# KiCad board TKLTheSecond.kicad_pcb
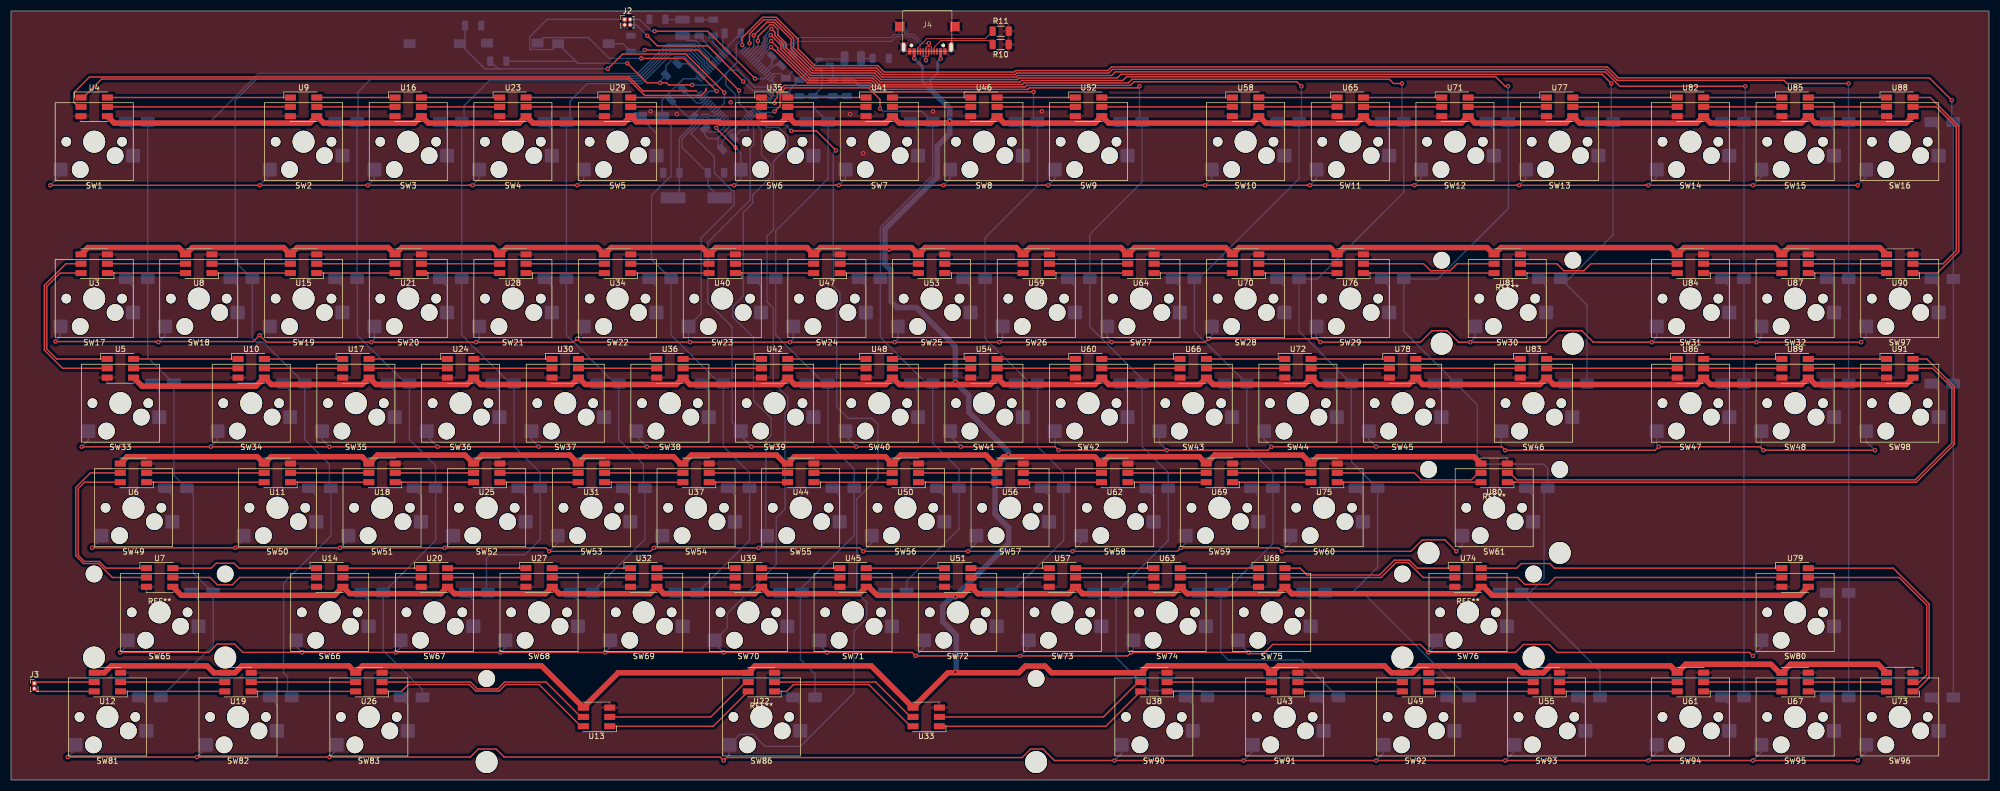
[diagram p0: board, top side]
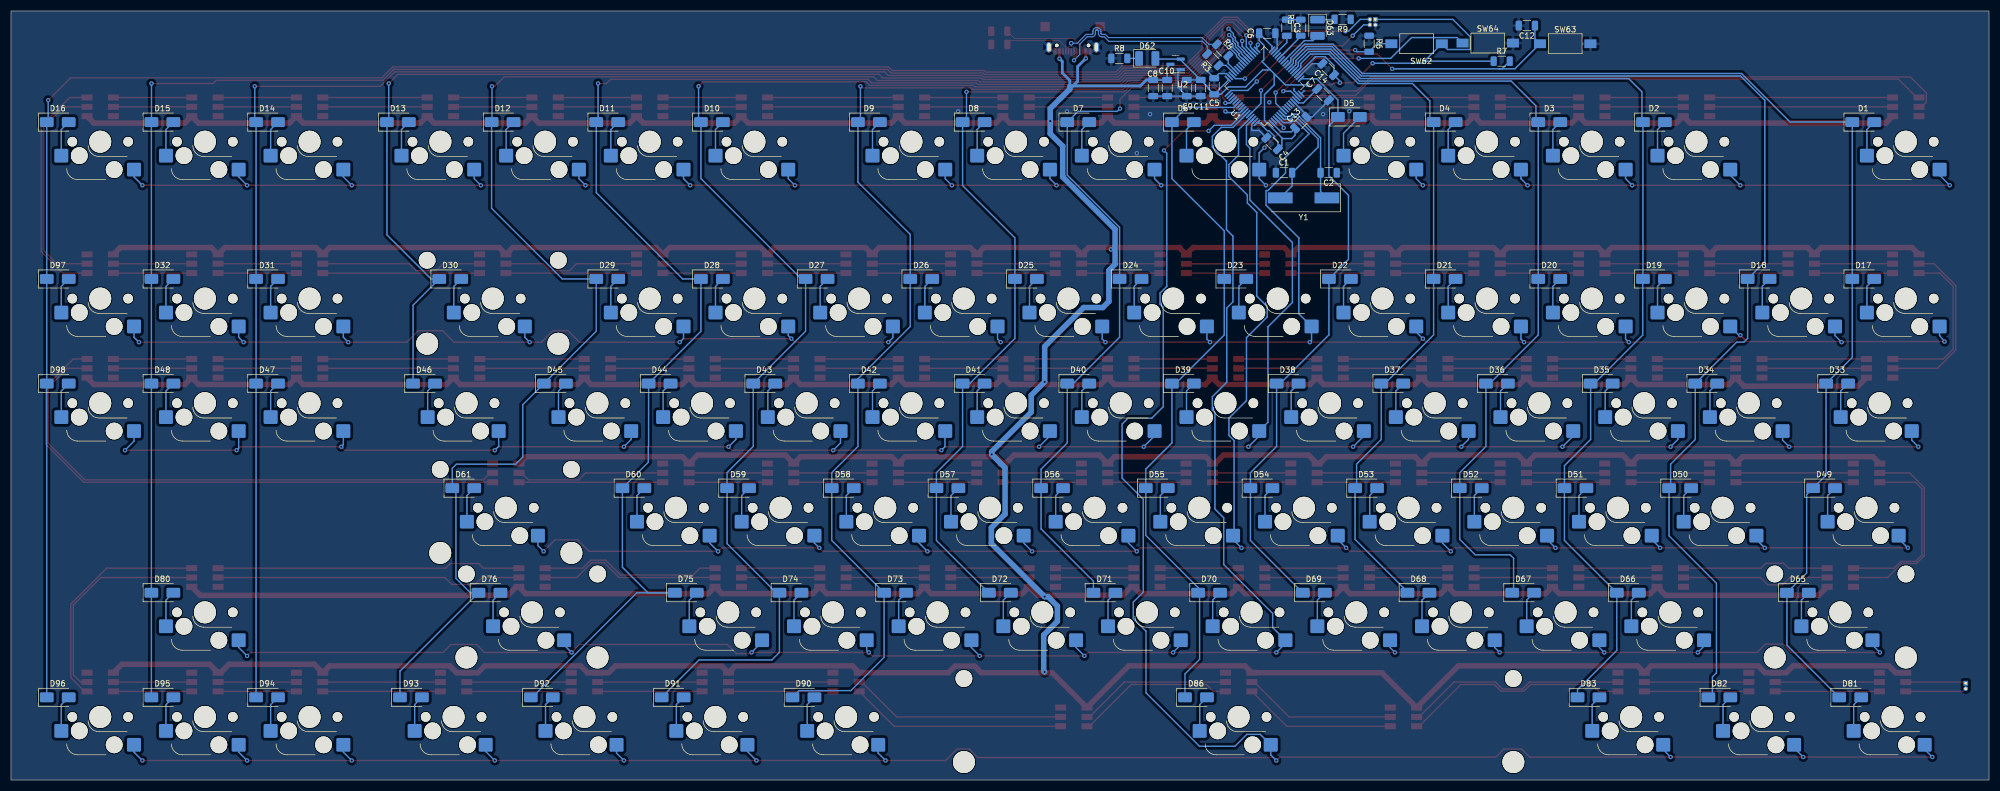
[diagram p1: board, bottom side, seen from below]

Outline 360 x 140.08 mm; copper layers: Top, Bottom. Coordinates in mm from the lower left corner of the outline.
Outline path: rectangle 0,140.08 360,0
Stack: Top 0.035mm / dielectric 1.51mm FR4 er 4.5 / Bottom 0.035mm

## Placement (name value [footprint] x y rotation side)
C1  12pF  [C_1206_3216Metric]  128.31 110.62 180 bottom
C2  12pF  [C_1206_3216Metric]  120.18 110.62 0 bottom
C3  4.7uF  [C_1206_3216Metric]  127.8 137.03 270 bottom
C4  C  [C_1206_3216Metric]  130.47 115.95 45 bottom
C5  C  [C_1206_3216Metric]  141.01 126.36 90 bottom
C6  C  [C_1206_3216Metric]  131.36 136.02 180 bottom
C7  C  [C_1206_3216Metric]  121.2 124.84 225 bottom
C8  1uF  [C_1206_3216Metric]  152.11 126.04 270 bottom
C9  1uF  [C_1206_3216Metric]  146.01 126.04 270 bottom
C10  10nF  [C_1206_3216Metric]  149.57 126.04 270 bottom
C11  10nF  [C_1206_3216Metric]  143.47 126.04 270 bottom
C12  100nF  [C_1206_3216Metric]  84.12 137.41 0 bottom
C13  C  [C_1206_3216Metric]  125.26 119.76 135 bottom
C14  C  [C_1206_3216Metric]  120.27 129.44 45 bottom
D1  BAV16WS  [D_SMA]  22.88 119.84 180 bottom
D2  BAV16WS  [D_SMA]  60.98 119.84 180 bottom
D3  BAV16WS  [D_SMA]  80.03 119.84 180 bottom
D4  BAV16WS  [D_SMA]  99.08 119.84 180 bottom
D5  BAV16WS  [D_SMA]  116.5 120.78 180 bottom
D6  BAV16WS  [D_SMA]  146.71 119.84 180 bottom
D7  BAV16WS  [D_SMA]  165.76 119.84 180 bottom
D8  BAV16WS  [D_SMA]  184.81 119.84 180 bottom
D9  BAV16WS  [D_SMA]  203.86 119.84 180 bottom
D10  BAV16WS  [D_SMA]  232.44 119.84 180 bottom
D11  BAV16WS  [D_SMA]  251.49 119.84 180 bottom
D12  BAV16WS  [D_SMA]  270.54 119.84 180 bottom
D13  BAV16WS  [D_SMA]  289.59 119.84 180 bottom
D14  BAV16WS  [D_SMA]  313.4 119.84 180 bottom
D15  BAV16WS  [D_SMA]  332.45 119.84 180 bottom
D16  BAV16WS  [D_SMA]  351.5 119.84 180 bottom
D17  BAV16WS  [D_SMA]  22.88 91.26 180 bottom
D18  BAV16WS  [D_SMA]  41.93 91.26 180 bottom
D19  BAV16WS  [D_SMA]  60.98 91.26 180 bottom
D20  BAV16WS  [D_SMA]  80.03 91.26 180 bottom
D21  BAV16WS  [D_SMA]  99.08 91.26 180 bottom
D22  BAV16WS  [D_SMA]  118.13 91.26 180 bottom
D23  BAV16WS  [D_SMA]  137.19 91.26 180 bottom
D24  BAV16WS  [D_SMA]  156.24 91.26 180 bottom
D25  BAV16WS  [D_SMA]  175.29 91.26 180 bottom
D26  BAV16WS  [D_SMA]  194.34 91.26 180 bottom
D27  BAV16WS  [D_SMA]  213.39 91.26 180 bottom
D28  BAV16WS  [D_SMA]  232.44 91.26 180 bottom
D29  BAV16WS  [D_SMA]  251.49 91.26 180 bottom
D30  BAV16WS  [D_SMA]  280.06 91.26 180 bottom
D31  BAV16WS  [D_SMA]  313.4 91.26 180 bottom
D32  BAV16WS  [D_SMA]  332.45 91.26 180 bottom
D33  BAV16WS  [D_SMA]  27.65 72.21 180 bottom
D34  BAV16WS  [D_SMA]  51.46 72.21 180 bottom
D35  BAV16WS  [D_SMA]  70.51 72.21 180 bottom
D36  BAV16WS  [D_SMA]  89.56 72.21 180 bottom
D37  BAV16WS  [D_SMA]  108.61 72.21 180 bottom
D38  BAV16WS  [D_SMA]  127.66 72.21 180 bottom
D39  BAV16WS  [D_SMA]  146.71 72.21 180 bottom
D40  BAV16WS  [D_SMA]  165.76 72.21 180 bottom
D41  BAV16WS  [D_SMA]  184.81 72.21 180 bottom
D42  BAV16WS  [D_SMA]  203.86 72.21 180 bottom
D43  BAV16WS  [D_SMA]  222.91 72.21 180 bottom
D44  BAV16WS  [D_SMA]  241.96 72.21 180 bottom
D45  BAV16WS  [D_SMA]  261.01 72.21 180 bottom
D46  BAV16WS  [D_SMA]  284.82 72.21 180 bottom
D47  BAV16WS  [D_SMA]  313.4 72.21 180 bottom
D48  BAV16WS  [D_SMA]  332.45 72.21 180 bottom
D49  BAV16WS  [D_SMA]  30.03 53.16 180 bottom
D50  BAV16WS  [D_SMA]  56.22 53.16 180 bottom
D51  BAV16WS  [D_SMA]  75.27 53.16 180 bottom
D52  BAV16WS  [D_SMA]  94.32 53.16 180 bottom
D53  BAV16WS  [D_SMA]  113.37 53.16 180 bottom
D54  BAV16WS  [D_SMA]  132.42 53.16 180 bottom
D55  BAV16WS  [D_SMA]  151.47 53.16 180 bottom
D56  BAV16WS  [D_SMA]  170.52 53.16 180 bottom
D57  BAV16WS  [D_SMA]  189.57 53.16 180 bottom
D58  BAV16WS  [D_SMA]  208.62 53.16 180 bottom
D59  BAV16WS  [D_SMA]  227.67 53.16 180 bottom
D60  BAV16WS  [D_SMA]  246.72 53.16 180 bottom
D61  BAV16WS  [D_SMA]  277.68 53.16 180 bottom
D62  LED  [LED_1210_3225Metric_Pad1.42x2.65mm_HandSolder]  153.2 131.44 180 bottom
D63  LED  [LED_1210_3225Metric_Pad1.42x2.65mm_HandSolder]  122.21 137.03 270 bottom
D65  BAV16WS  [D_SMA]  34.79 34.11 180 bottom
D66  BAV16WS  [D_SMA]  65.75 34.11 180 bottom
D67  BAV16WS  [D_SMA]  84.8 34.11 180 bottom
D68  BAV16WS  [D_SMA]  103.85 34.11 180 bottom
D69  BAV16WS  [D_SMA]  122.9 34.11 180 bottom
D70  BAV16WS  [D_SMA]  141.95 34.11 180 bottom
D71  BAV16WS  [D_SMA]  161 34.11 180 bottom
D72  BAV16WS  [D_SMA]  180.05 34.11 180 bottom
D73  BAV16WS  [D_SMA]  199.1 34.11 180 bottom
D74  BAV16WS  [D_SMA]  218.15 34.11 180 bottom
D75  BAV16WS  [D_SMA]  237.2 34.11 180 bottom
D76  BAV16WS  [D_SMA]  272.92 34.11 180 bottom
D80  BAV16WS  [D_SMA]  332.45 34.11 180 bottom
D81  BAV16WS  [D_SMA]  25.27 15.06 180 bottom
D82  BAV16WS  [D_SMA]  49.08 15.06 180 bottom
D83  BAV16WS  [D_SMA]  72.89 15.06 180 bottom
D86  BAV16WS  [D_SMA]  144.33 15.06 180 bottom
D90  BAV16WS  [D_SMA]  215.77 15.06 180 bottom
D91  BAV16WS  [D_SMA]  239.58 15.06 180 bottom
D92  BAV16WS  [D_SMA]  263.39 15.06 180 bottom
D93  BAV16WS  [D_SMA]  287.2 15.06 180 bottom
D94  BAV16WS  [D_SMA]  313.4 15.06 180 bottom
D95  BAV16WS  [D_SMA]  332.45 15.06 180 bottom
D96  BAV16WS  [D_SMA]  351.5 15.06 180 bottom
D97  BAV16WS  [D_SMA]  351.5 91.26 180 bottom
D98  BAV16WS  [D_SMA]  351.5 72.21 180 bottom
J2  Conn_01x04_Socket  [PinHeader_2x02_P1.00mm_Vertical]  111.68 138.55 0 top
J3  Conn_01x02_Socket  [PinHeader_1x02_P1.00mm_Vertical]  4.23 17.64 0 top
J4  GT-USB-7004  [GT-USB-7047C]  166.78 135.05 0 top
R3  10  [R_1206_3216Metric]  141.25 131.2 45 bottom
R4  10  [R_1206_3216Metric]  139.49 132.97 45 bottom
R5  10K  [R_1206_3216Metric]  125.26 137.03 90 bottom
R6  10K  [R_1206_3216Metric]  112.82 134.11 270 bottom
R7  4k7  [R_1206_3216Metric]  88.69 130.94 180 bottom
R8  1K  [R_1206_3216Metric]  158.28 131.44 180 bottom
R9  1K  [R_1206_3216Metric]  117.64 138.56 0 bottom
R10  5.1K  [R_1206_3216Metric]  180.13 133.98 180 top
R11  5.1K  [R_1206_3216Metric]  180.13 136.4 0 top
REF**  -  [Stabilizer_Cherry_MX_2.00u]  27.05 30.54 0 top
REF**#2  -  [Stabilizer_Cherry_MX_6.25u]  136.57 11.49 0 top
REF**#3  -  [Stabilizer_Cherry_MX_2.00u]  269.94 49.59 0 top
REF**#4  -  [Stabilizer_Cherry_MX_2.00u]  265.18 30.54 0 top
REF**#5  -  [Stabilizer_Cherry_MX_2.00u]  272.32 87.69 0 top
SW1  K_ESC  [SW_Hotswap_Kailh_MX_1.00u]  15.15 116.27 180 top
SW2  K_F1  [SW_Hotswap_Kailh_MX_1.00u]  53.25 116.27 180 top
SW3  K_F2  [SW_Hotswap_Kailh_MX_1.00u]  72.3 116.27 180 top
SW4  K_F3  [SW_Hotswap_Kailh_MX_1.00u]  91.35 116.27 180 top
SW5  K_F4  [SW_Hotswap_Kailh_MX_1.00u]  110.4 116.27 180 top
SW6  K_F5  [SW_Hotswap_Kailh_MX_1.00u]  138.97 116.27 180 top
SW7  K_F6  [SW_Hotswap_Kailh_MX_1.00u]  158.02 116.27 180 top
SW8  K_F7  [SW_Hotswap_Kailh_MX_1.00u]  177.07 116.27 180 top
SW9  K_F8  [SW_Hotswap_Kailh_MX_1.00u]  196.12 116.27 180 top
SW10  K_F9  [SW_Hotswap_Kailh_MX_1.00u]  224.7 116.27 180 top
SW11  K_F10  [SW_Hotswap_Kailh_MX_1.00u]  243.75 116.27 180 top
SW12  K_F11  [SW_Hotswap_Kailh_MX_1.00u]  262.8 116.27 180 top
SW13  K_F12  [SW_Hotswap_Kailh_MX_1.00u]  281.85 116.27 180 top
SW14  K_PrtSc  [SW_Hotswap_Kailh_MX_1.00u]  305.66 116.27 180 top
SW15  K_ScLck  [SW_Hotswap_Kailh_MX_1.00u]  324.71 116.27 180 top
SW16  K_PAUSE  [SW_Hotswap_Kailh_MX_1.00u]  343.76 116.27 180 top
SW17  K_TILDE  [SW_Hotswap_Kailh_MX_1.00u]  15.15 87.69 180 top
SW18  K_1  [SW_Hotswap_Kailh_MX_1.00u]  34.18 87.69 180 top
SW19  K_2  [SW_Hotswap_Kailh_MX_1.00u]  53.25 87.69 180 top
SW20  K_3  [SW_Hotswap_Kailh_MX_1.00u]  72.3 87.69 180 top
SW21  K_4  [SW_Hotswap_Kailh_MX_1.00u]  91.35 87.69 180 top
SW22  K_5  [SW_Hotswap_Kailh_MX_1.00u]  110.4 87.69 180 top
SW23  K_6  [SW_Hotswap_Kailh_MX_1.00u]  129.45 87.69 180 top
SW24  K_7  [SW_Hotswap_Kailh_MX_1.00u]  148.5 87.69 180 top
SW25  K_8  [SW_Hotswap_Kailh_MX_1.00u]  167.55 87.69 180 top
SW26  K-9  [SW_Hotswap_Kailh_MX_1.00u]  186.6 87.69 180 top
SW27  K_0  [SW_Hotswap_Kailh_MX_1.00u]  205.65 87.69 180 top
SW28  K_MINUS  [SW_Hotswap_Kailh_MX_1.00u]  224.7 87.69 180 top
SW29  K_PLUS  [SW_Hotswap_Kailh_MX_1.00u]  243.75 87.69 180 top
SW30  K_BACKSPACE  [SW_Hotswap_Kailh_MX_2.00u]  272.32 87.69 180 top
SW31  K_INSERT  [SW_Hotswap_Kailh_MX_1.00u]  305.66 87.69 180 top
SW32  K_HOME  [SW_Hotswap_Kailh_MX_1.00u]  324.71 87.69 180 top
SW33  K_TAB  [SW_Hotswap_Kailh_MX_1.50u]  19.91 68.64 180 top
SW34  K_Q  [SW_Hotswap_Kailh_MX_1.00u]  43.72 68.64 180 top
SW35  K_W  [SW_Hotswap_Kailh_MX_1.00u]  62.77 68.64 180 top
SW36  K_E  [SW_Hotswap_Kailh_MX_1.00u]  81.82 68.64 180 top
SW37  K_R  [SW_Hotswap_Kailh_MX_1.00u]  100.87 68.64 180 top
SW38  K_T  [SW_Hotswap_Kailh_MX_1.00u]  119.92 68.64 180 top
SW39  K_Y  [SW_Hotswap_Kailh_MX_1.00u]  138.97 68.64 180 top
SW40  K_U  [SW_Hotswap_Kailh_MX_1.00u]  158.02 68.64 180 top
SW41  K_I  [SW_Hotswap_Kailh_MX_1.00u]  177.07 68.64 180 top
SW42  K_O  [SW_Hotswap_Kailh_MX_1.00u]  196.12 68.64 180 top
SW43  K_P  [SW_Hotswap_Kailh_MX_1.00u]  215.17 68.64 180 top
SW44  K_BRACEL  [SW_Hotswap_Kailh_MX_1.00u]  234.22 68.64 180 top
SW45  K_BRACER  [SW_Hotswap_Kailh_MX_1.00u]  253.27 68.64 180 top
SW46  K_BCKSLSH  [SW_Hotswap_Kailh_MX_1.50u]  277.08 68.64 180 top
SW47  K_DELETE  [SW_Hotswap_Kailh_MX_1.00u]  305.66 68.64 180 top
SW48  K_END  [SW_Hotswap_Kailh_MX_1.00u]  324.71 68.64 180 top
SW49  K_CAPS  [SW_Hotswap_Kailh_MX_1.75u]  22.29 49.59 180 top
SW50  K_A  [SW_Hotswap_Kailh_MX_1.00u]  48.48 49.59 180 top
SW51  K_S  [SW_Hotswap_Kailh_MX_1.00u]  67.53 49.59 180 top
SW52  K_D  [SW_Hotswap_Kailh_MX_1.00u]  86.58 49.59 180 top
SW53  K_F  [SW_Hotswap_Kailh_MX_1.00u]  105.63 49.59 180 top
SW54  K_G  [SW_Hotswap_Kailh_MX_1.00u]  124.68 49.59 180 top
SW55  K_H  [SW_Hotswap_Kailh_MX_1.00u]  143.73 49.59 180 top
SW56  K_J  [SW_Hotswap_Kailh_MX_1.00u]  162.78 49.59 180 top
SW57  K_K  [SW_Hotswap_Kailh_MX_1.00u]  181.83 49.59 180 top
SW58  K_L  [SW_Hotswap_Kailh_MX_1.00u]  200.88 49.59 180 top
SW59  K_SEMICOLON  [SW_Hotswap_Kailh_MX_1.00u]  219.93 49.59 180 top
SW60  K_QUOT  [SW_Hotswap_Kailh_MX_1.00u]  238.98 49.59 180 top
SW61  K_ENTER  [SW_Hotswap_Kailh_MX_2.25u]  269.94 49.59 180 top
SW62  BOOT0  [SW_SPST_FSMSM]  104.18 134.11 0 bottom
SW63  NRST  [SW_SPST_FSMSM]  77.13 134.11 180 bottom
SW64  SW_DIP_x01  [SW_SPST_FSMSM]  91.23 134.24 180 bottom
SW65  K_LSHIFT  [SW_Hotswap_Kailh_MX_2.25u]  27.05 30.54 180 top
SW66  K_Z  [SW_Hotswap_Kailh_MX_1.00u]  58.01 30.54 180 top
SW67  K_X  [SW_Hotswap_Kailh_MX_1.00u]  77.06 30.54 180 top
SW68  K_C  [SW_Hotswap_Kailh_MX_1.00u]  96.11 30.54 180 top
SW69  K_V  [SW_Hotswap_Kailh_MX_1.00u]  115.16 30.54 180 top
SW70  K_B  [SW_Hotswap_Kailh_MX_1.00u]  134.21 30.54 180 top
SW71  K_N  [SW_Hotswap_Kailh_MX_1.00u]  153.26 30.54 180 top
SW72  K_M  [SW_Hotswap_Kailh_MX_1.00u]  172.31 30.54 180 top
SW73  K_COMMA  [SW_Hotswap_Kailh_MX_1.00u]  191.36 30.54 180 top
SW74  K_DOT  [SW_Hotswap_Kailh_MX_1.00u]  210.41 30.54 180 top
SW75  K_SLASH  [SW_Hotswap_Kailh_MX_1.00u]  229.46 30.54 180 top
SW76  K_RSHIFT  [SW_Hotswap_Kailh_MX_2.75u]  265.18 30.54 180 top
SW80  K_UP  [SW_Hotswap_Kailh_MX_1.00u]  324.71 30.54 180 top
SW81  K_LCTRL  [SW_Hotswap_Kailh_MX_1.25u]  17.55 11.49 180 top
SW82  K_WIN  [SW_Hotswap_Kailh_MX_1.25u]  41.32 11.49 180 top
SW83  K_LALT  [SW_Hotswap_Kailh_MX_1.25u]  65.13 11.49 180 top
SW86  K_SPACE  [SW_Hotswap_Kailh_MX_6.25u]  136.57 11.49 180 top
SW90  K_RALT  [SW_Hotswap_Kailh_MX_1.25u]  208.01 11.49 180 top
SW91  K_RWIN  [SW_Hotswap_Kailh_MX_1.25u]  231.82 11.49 180 top
SW92  K_MENU  [SW_Hotswap_Kailh_MX_1.25u]  255.63 11.49 180 top
SW93  K_RCTRL  [SW_Hotswap_Kailh_MX_1.25u]  279.44 11.49 180 top
SW94  K_LEFT  [SW_Hotswap_Kailh_MX_1.00u]  305.66 11.49 180 top
SW95  K_DOWN  [SW_Hotswap_Kailh_MX_1.00u]  324.71 11.49 180 top
SW96  K_RIGHT  [SW_Hotswap_Kailh_MX_1.00u]  343.76 11.49 180 top
SW97  K_PGUP  [SW_Hotswap_Kailh_MX_1.00u]  343.76 87.69 180 top
SW98  K_PGDOWN  [SW_Hotswap_Kailh_MX_1.00u]  343.76 68.64 180 top
U1  STM32F401RETx  [LQFP-64_10x10mm_P0.5mm]  131.87 126.36 45 bottom
U2  xc6206p332mr  [SOT-23]  148.04 130.36 0 bottom
U3  L_TILDE  [LED_RGB_5050-6]  15.15 94.04 180 top
U4  L_Escape  [LED_RGB_5050-6]  15.15 122.62 0 top
U5  L_TAB  [LED_RGB_5050-6]  19.91 74.99 0 top
U6  L_CAPS  [LED_RGB_5050-6]  22.29 55.94 180 top
U7  L_LSHIFT  [LED_RGB_5050-6]  27.05 36.89 0 top
U8  L_1  [LED_RGB_5050-6]  34.18 94.04 180 top
U9  L_F1  [LED_RGB_5050-6]  53.25 122.62 0 top
U10  L_Q  [LED_RGB_5050-6]  43.72 74.99 0 top
U11  L_A  [LED_RGB_5050-6]  48.48 55.94 180 top
U12  L_LCTRL  [LED_RGB_5050-6]  17.55 17.84 180 top
U13  L_SPACE1  [LED_RGB_5050-6]  106.57 11.49 180 top
U14  L_Z  [LED_RGB_5050-6]  58.01 36.89 0 top
U15  L_2  [LED_RGB_5050-6]  53.25 94.04 180 top
U16  L_F2  [LED_RGB_5050-6]  72.3 122.62 0 top
U17  L_W  [LED_RGB_5050-6]  62.77 74.99 0 top
U18  L_S  [LED_RGB_5050-6]  67.53 55.94 180 top
U19  L_LWIN  [LED_RGB_5050-6]  41.32 17.84 180 top
U20  L_X  [LED_RGB_5050-6]  77.06 36.89 0 top
U21  L_3  [LED_RGB_5050-6]  72.3 94.04 180 top
U22  L_SPACE2  [LED_RGB_5050-6]  136.57 17.84 180 top
U23  L_F3  [LED_RGB_5050-6]  91.35 122.62 0 top
U24  L_E  [LED_RGB_5050-6]  81.82 74.99 0 top
U25  L_D  [LED_RGB_5050-6]  86.58 55.94 180 top
U26  L_LALT  [LED_RGB_5050-6]  65.13 17.84 180 top
U27  L_C  [LED_RGB_5050-6]  96.11 36.89 0 top
U28  L_4  [LED_RGB_5050-6]  91.35 94.04 180 top
U29  L_F4  [LED_RGB_5050-6]  110.4 122.62 0 top
U30  L_R  [LED_RGB_5050-6]  100.87 74.99 0 top
U31  L_F  [LED_RGB_5050-6]  105.63 55.94 180 top
U32  L_V  [LED_RGB_5050-6]  115.16 36.89 0 top
U33  L_SPACE3  [LED_RGB_5050-6]  166.57 11.49 180 top
U34  L_5  [LED_RGB_5050-6]  110.4 94.04 180 top
U35  L_F5  [LED_RGB_5050-6]  138.97 122.62 0 top
U36  L_T  [LED_RGB_5050-6]  119.92 74.99 0 top
U37  L_G  [LED_RGB_5050-6]  124.68 55.94 180 top
U38  L_RALT  [LED_RGB_5050-6]  208.01 17.84 180 top
U39  L_B  [LED_RGB_5050-6]  134.21 36.89 0 top
U40  L_6  [LED_RGB_5050-6]  129.45 94.04 180 top
U41  L_F6  [LED_RGB_5050-6]  158.02 122.62 0 top
U42  L_Y  [LED_RGB_5050-6]  138.97 74.99 0 top
U43  L_RWIN  [LED_RGB_5050-6]  231.82 17.84 180 top
U44  L_H  [LED_RGB_5050-6]  143.73 55.94 180 top
U45  L_N  [LED_RGB_5050-6]  153.26 36.89 0 top
U46  L_F7  [LED_RGB_5050-6]  177.07 122.62 0 top
U47  L_7  [LED_RGB_5050-6]  148.5 94.04 180 top
U48  L_U  [LED_RGB_5050-6]  158.02 74.99 0 top
U49  L_MENU  [LED_RGB_5050-6]  255.63 17.84 180 top
U50  L_J  [LED_RGB_5050-6]  162.78 55.94 180 top
U51  L_M  [LED_RGB_5050-6]  172.31 36.89 0 top
U52  L_F8  [LED_RGB_5050-6]  196.12 122.62 0 top
U53  L_8  [LED_RGB_5050-6]  167.55 94.04 180 top
U54  L_I  [LED_RGB_5050-6]  177.07 74.99 0 top
U55  L_RCTRL  [LED_RGB_5050-6]  279.44 17.84 180 top
U56  L_K  [LED_RGB_5050-6]  181.83 55.94 180 top
U57  L_COMMA  [LED_RGB_5050-6]  191.36 36.89 0 top
U58  L_F9  [LED_RGB_5050-6]  224.7 122.62 0 top
U59  L_9  [LED_RGB_5050-6]  186.6 94.04 180 top
U60  L_O  [LED_RGB_5050-6]  196.12 74.99 0 top
U61  L_LEFT  [LED_RGB_5050-6]  305.66 17.84 180 top
U62  L_L  [LED_RGB_5050-6]  200.88 55.94 180 top
U63  L_DOT  [LED_RGB_5050-6]  210.41 36.89 0 top
U64  L_0  [LED_RGB_5050-6]  205.65 94.04 180 top
U65  L_F10  [LED_RGB_5050-6]  243.75 122.62 0 top
U66  L_P  [LED_RGB_5050-6]  215.17 74.99 0 top
U67  L_DOWN  [LED_RGB_5050-6]  324.71 17.84 180 top
U68  L_SLASH  [LED_RGB_5050-6]  229.46 36.89 0 top
U69  L_SEMI  [LED_RGB_5050-6]  219.93 55.94 180 top
U70  L_MINUS  [LED_RGB_5050-6]  224.7 94.04 180 top
U71  L_F11  [LED_RGB_5050-6]  262.8 122.62 0 top
U72  L_BRACEL  [LED_RGB_5050-6]  234.22 74.99 0 top
U73  L_RIGHT  [LED_RGB_5050-6]  343.76 17.84 180 top
U74  L_RSHIFT  [LED_RGB_5050-6]  265.18 36.89 0 top
U75  L_APO  [LED_RGB_5050-6]  238.98 55.94 180 top
U76  L_PLUS  [LED_RGB_5050-6]  243.75 94.04 180 top
U77  L_F12  [LED_RGB_5050-6]  281.85 122.62 0 top
U78  L_BRACER  [LED_RGB_5050-6]  253.27 74.99 0 top
U79  L_UP  [LED_RGB_5050-6]  324.71 36.89 0 top
U80  L_ENTER  [LED_RGB_5050-6]  269.94 55.94 180 top
U81  L_BACK  [LED_RGB_5050-6]  272.32 94.04 180 top
U82  L_PrtSc  [LED_RGB_5050-6]  305.66 122.62 0 top
U83  L_BCKSLSH  [LED_RGB_5050-6]  277.08 74.99 0 top
U84  L_INSERT  [LED_RGB_5050-6]  305.66 94.04 180 top
U85  L_ScrlLck  [LED_RGB_5050-6]  324.71 122.62 0 top
U86  L_DELETE  [LED_RGB_5050-6]  305.66 74.99 0 top
U87  L_HOME  [LED_RGB_5050-6]  324.71 94.04 180 top
U88  L_Pause  [LED_RGB_5050-6]  343.76 122.62 0 top
U89  L_END  [LED_RGB_5050-6]  324.71 74.99 0 top
U90  L_PgUp  [LED_RGB_5050-6]  343.76 94.04 180 top
U91  L_PgDn  [LED_RGB_5050-6]  343.76 74.99 0 top
Y1  25MHZ 9PF  [Crystal_SMD_HC49-SD]  124.76 106.04 0 bottom

## Library data of the parts
C1-C14 = -: ki_fp_filters: C_*
D1-D61 D65-D76 D80-D83 D86 D90-D98 = -: Datasheet: https://www.tme.eu/Document/41cfdc71b60a4a9a56c96a716592d2a8/BAV16WS.pdf; ki_fp_filters: TO-???* *_Diode_* *SingleDiode* D_*
D62 D63 = -: ki_fp_filters: LED* LED_SMD:* LED_THT:*
J2 J3 = -: ki_fp_filters: Connector*:*_1x??_*
J4 = -: ki_fp_filters: CONN12_B-7004_GSW
R3-R11 = -: ki_fp_filters: R_*
SW1-SW76 SW80-SW83 SW86 SW90-SW98 = -: ki_fp_filters: SW?DIP?x1*
U1 = -: Datasheet: https://www.st.com/resource/en/datasheet/stm32f401re.pdf; LCSC Part #: C116978; ki_fp_filters: LQFP*10x10mm*P0.5mm*
U2 = -: Datasheet: https://www.torexsemi.com/file/xc6206/XC6206.pdf; ki_fp_filters: SOT?23?3*
U3-U91 = -: Datasheet: http://www.led-color.com/upload/201506/APA102%20LED.pdf; LCSC Part #: C2829089; ki_fp_filters: LED*RGB*5050*
Y1 = -: ki_fp_filters: Crystal*

## Footprints (pads in the part's own frame, mm; a bottom-side part is the same pattern mirrored in y, then rotated)
C_1206_3216Metric
  rrect 1.15x1.8 smd: 1(-1.475,0) 2(1.475,0)
Crystal_SMD_HC49-SD
  rect 4.5x2 smd: 1(-4.25,0) 2(4.25,0)
D_SMA
  rrect 2.5x1.8 smd: 1(-2,0) 2(2,0)
GT-USB-7047C
  round 0.65 hole 0.65 unplated: (-2.89,-1.236) (2.89,-1.236)
  rect 0.6x1.15 smd: A1B12(3.2,-2.331) A4B9(2.4,-2.331) A9B9(-2.4,-2.331) A12B12(-3.2,-2.331)
  rect 0.3x1.15 smd: A5(1.25,-2.331) A6(0.25,-2.331) A7(-0.25,-2.331) A8(-1.25,-2.331) B5(-1.75,-2.331) B6(-0.75,-2.331) B7(0.75,-2.331) B8(1.75,-2.331)
  oval 1x1.9 hole 0.6x1.5: Shield(-4.32,-1.569) Shield(4.32,-1.569)
  rect 1.7x1.7 smd: Shield0(-5.02,2.194) Shield1(5.02,2.194)
LED_1210_3225Metric_Pad1.42x2.65mm_HandSolder
  rrect 1.425x2.65 smd: 1(-1.488,0) 2(1.488,0)
LED_RGB_5050-6
  rect 2x1.1 smd: 1(-2.4,1.7) 2(-2.4,0) 3(-2.4,-1.7) 4(2.4,-1.7) 5(2.4,0) 6(2.4,1.7)
LQFP-64_10x10mm_P0.5mm
  rrect 1.55x0.3 smd: 1(-5.675,3.75) 2(-5.675,3.25) 3(-5.675,2.75) 4(-5.675,2.25) 5(-5.675,1.75) 6(-5.675,1.25) 7(-5.675,0.75) 8(-5.675,0.25) 9(-5.675,-0.25) 10(-5.675,-0.75) 11(-5.675,-1.25) 12(-5.675,-1.75) 13(-5.675,-2.25) 14(-5.675,-2.75) 15(-5.675,-3.25) 16(-5.675,-3.75) 33(5.675,-3.75) 34(5.675,-3.25) 35(5.675,-2.75) 36(5.675,-2.25) 37(5.675,-1.75) 38(5.675,-1.25) 39(5.675,-0.75) 40(5.675,-0.25) 41(5.675,0.25) 42(5.675,0.75) 43(5.675,1.25) 44(5.675,1.75) 45(5.675,2.25) 46(5.675,2.75) 47(5.675,3.25) 48(5.675,3.75)
  rrect 0.3x1.55 smd: 17(-3.75,-5.675) 18(-3.25,-5.675) 19(-2.75,-5.675) 20(-2.25,-5.675) 21(-1.75,-5.675) 22(-1.25,-5.675) 23(-0.75,-5.675) 24(-0.25,-5.675) 25(0.25,-5.675) 26(0.75,-5.675) 27(1.25,-5.675) 28(1.75,-5.675) 29(2.25,-5.675) 30(2.75,-5.675) 31(3.25,-5.675) 32(3.75,-5.675) 49(3.75,5.675) 50(3.25,5.675) 51(2.75,5.675) 52(2.25,5.675) 53(1.75,5.675) 54(1.25,5.675) 55(0.75,5.675) 56(0.25,5.675) 57(-0.25,5.675) 58(-0.75,5.675) 59(-1.25,5.675) 60(-1.75,5.675) 61(-2.25,5.675) 62(-2.75,5.675) 63(-3.25,5.675) 64(-3.75,5.675)
PinHeader_1x02_P1.00mm_Vertical
  rect 0.85x0.85 hole 0.5: 1(0,0)
  oval 0.85x0.85 hole 0.5: 2(0,-1)
PinHeader_2x02_P1.00mm_Vertical
  rect 0.85x0.85 hole 0.5: 1(0,0)
  oval 0.85x0.85 hole 0.5: 2(1,0) 3(0,-1) 4(1,-1)
R_1206_3216Metric
  rrect 1.125x1.75 smd: 1(-1.462,0) 2(1.462,0)
SOT-23
  rrect 1.475x0.6 smd: 1(-0.938,0.95) 2(-0.938,-0.95) 3(0.938,0)
Stabilizer_Cherry_MX_2.00u
  round 3.048 hole 3.048 unplated: (-11.938,6.985) (11.938,6.985)
  round 3.988 hole 3.988 unplated: (-11.938,-8.225) (11.938,-8.225)
Stabilizer_Cherry_MX_6.25u
  round 3.048 hole 3.048 unplated: (-50,6.985) (50,6.985)
  round 3.988 hole 3.988 unplated: (-50,-8.225) (50,-8.225)
SW_Hotswap_Kailh_MX_1.00u
  round 1.75 hole 1.75 unplated: (-5.08,0) (5.08,0)
  round 3.05 hole 3.05 unplated: (-3.81,2.54) (2.54,5.08)
  round 4 hole 4 unplated: (0,0)
  rrect 2.55x2.5 smd far side: 1(6.147,5.08) 2(-7.085,2.54)
SW_Hotswap_Kailh_MX_1.25u
  round 1.75 hole 1.75 unplated: (-5.08,0) (5.08,0)
  round 3.05 hole 3.05 unplated: (-3.81,2.54) (2.54,5.08)
  round 4 hole 4 unplated: (0,0)
  rrect 2.55x2.5 smd far side: 1(5.842,5.08) 2(-7.085,2.54)
SW_Hotswap_Kailh_MX_1.50u
  round 1.75 hole 1.75 unplated: (-5.08,0) (5.08,0)
  round 3.05 hole 3.05 unplated: (-3.81,2.54) (2.54,5.08)
  round 4 hole 4 unplated: (0,0)
  rrect 2.55x2.5 smd far side: 1(5.842,5.08) 2(-7.085,2.54)
SW_Hotswap_Kailh_MX_1.75u
  round 1.75 hole 1.75 unplated: (-5.08,0) (5.08,0)
  round 3.05 hole 3.05 unplated: (-3.81,2.54) (2.54,5.08)
  round 4 hole 4 unplated: (0,0)
  rrect 2.55x2.5 smd far side: 1(5.842,5.08) 2(-7.085,2.54)
SW_Hotswap_Kailh_MX_2.00u
  round 1.75 hole 1.75 unplated: (-5.08,0) (5.08,0)
  round 3.05 hole 3.05 unplated: (-3.81,2.54) (2.54,5.08)
  round 4 hole 4 unplated: (0,0)
  rrect 2.55x2.5 smd far side: 1(5.842,5.08) 2(-7.085,2.54)
SW_Hotswap_Kailh_MX_2.25u
  round 1.75 hole 1.75 unplated: (-5.08,0) (5.08,0)
  round 3.05 hole 3.05 unplated: (-3.81,2.54) (2.54,5.08)
  round 4 hole 4 unplated: (0,0)
  rrect 2.55x2.5 smd far side: 1(5.842,5.08) 2(-7.085,2.54)
SW_Hotswap_Kailh_MX_2.75u
  round 1.75 hole 1.75 unplated: (-5.08,0) (5.08,0)
  round 3.05 hole 3.05 unplated: (-3.81,2.54) (2.54,5.08)
  round 4 hole 4 unplated: (0,0)
  rrect 2.55x2.5 smd far side: 1(5.842,5.08) 2(-7.085,2.54)
SW_Hotswap_Kailh_MX_6.25u
  round 1.75 hole 1.75 unplated: (-5.08,0) (5.08,0)
  round 3.05 hole 3.05 unplated: (-3.81,2.54) (2.54,5.08)
  round 4 hole 4 unplated: (0,0)
  rrect 2.55x2.5 smd far side: 1(5.842,5.08) 2(-7.085,2.54)
SW_SPST_FSMSM
  rect 2.18x1.6 smd: 1(-4.59,0) 2(4.59,0)
